# KiCad board manual.kicad_pcb
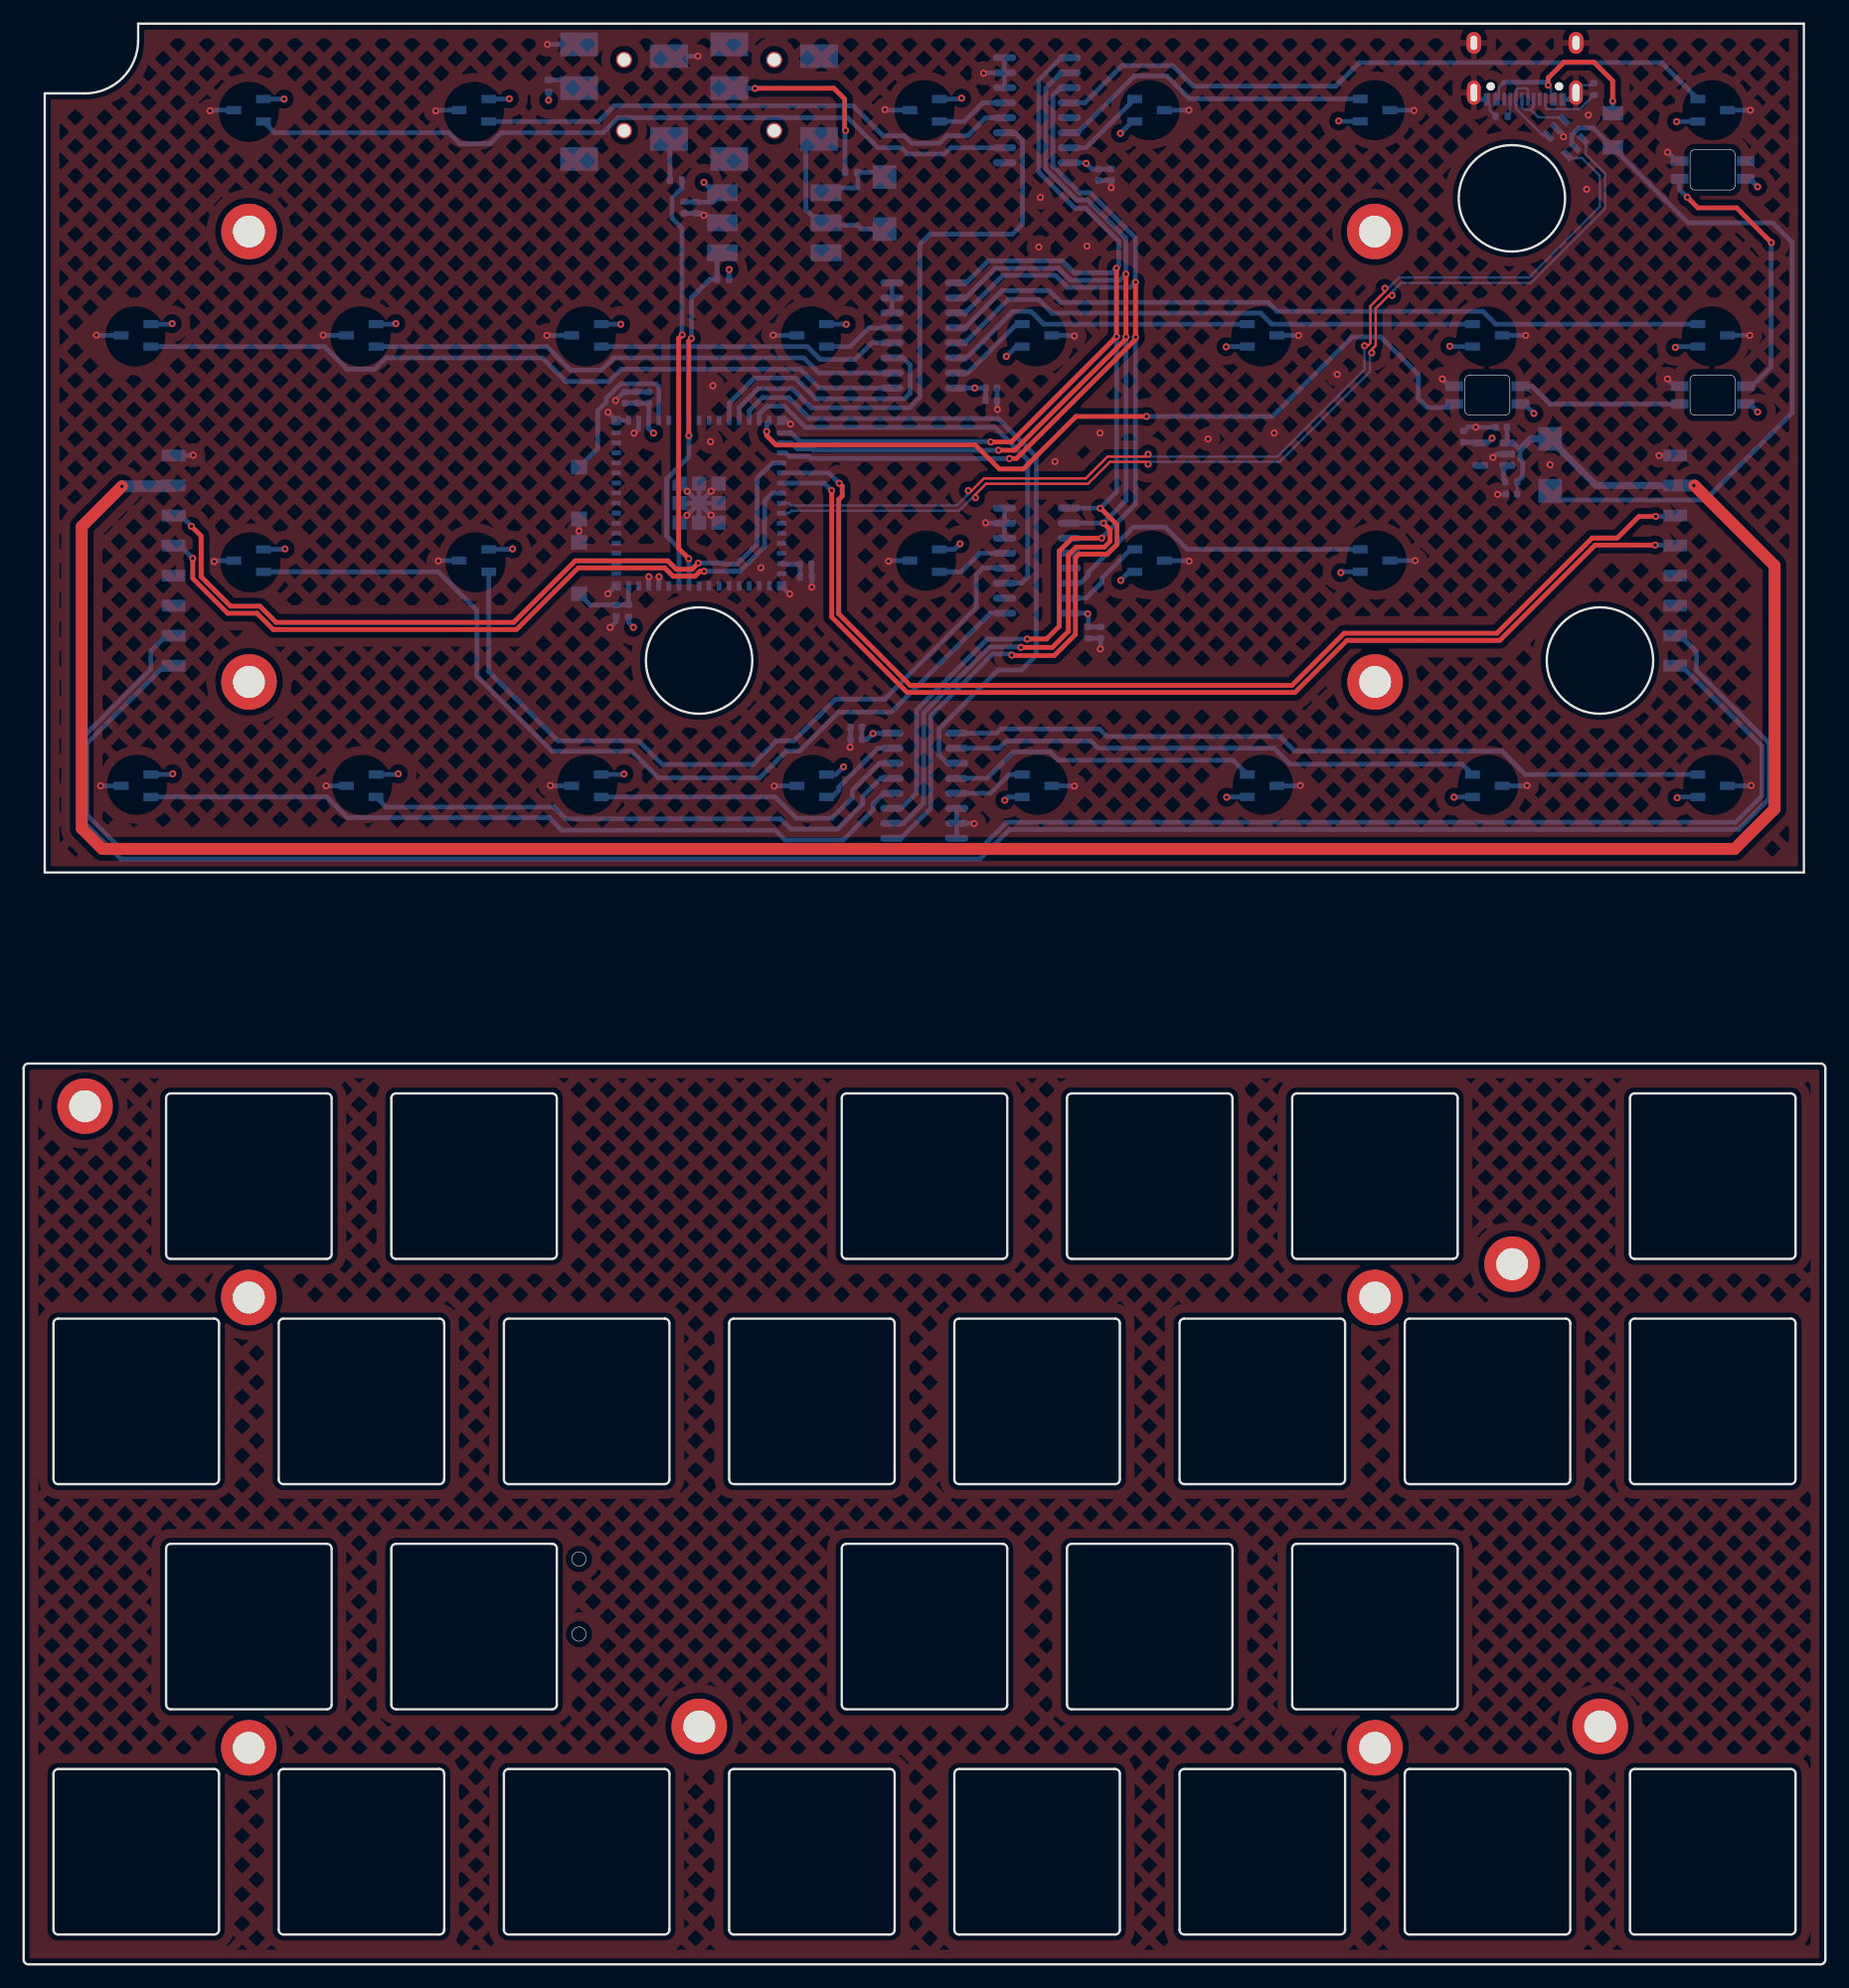
[diagram p0: board, top side]
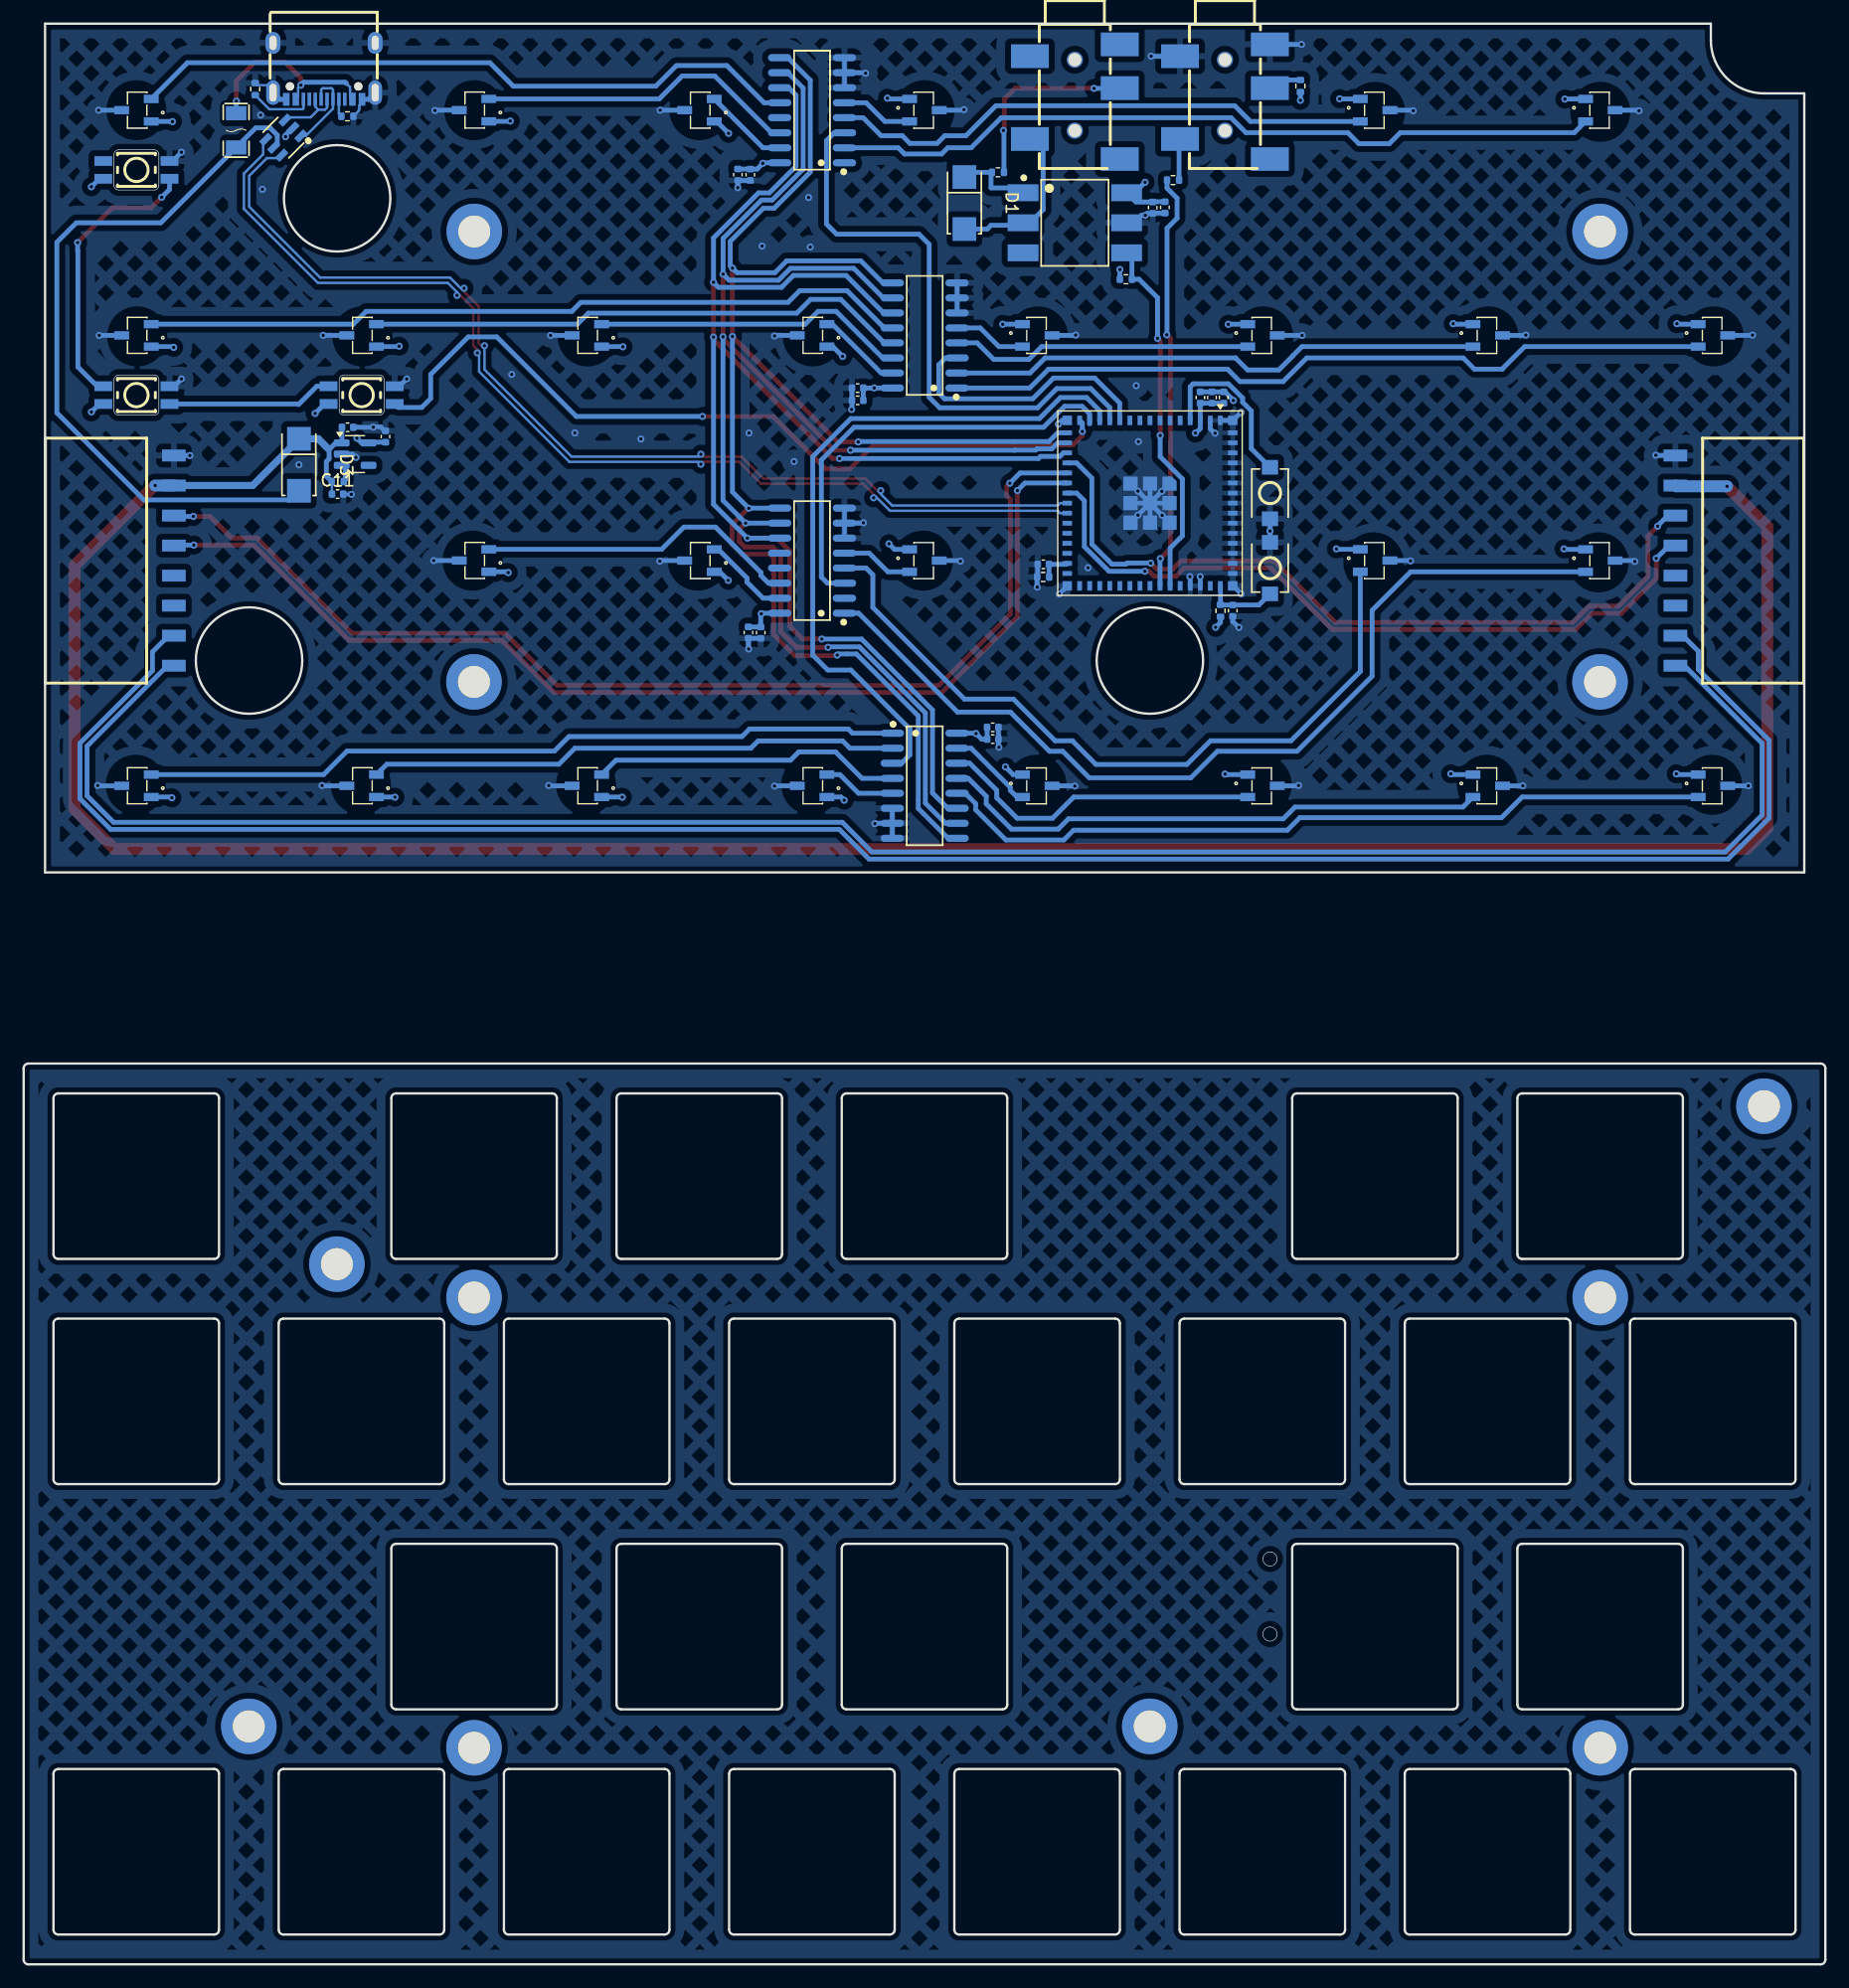
[diagram p1: board, bottom side, seen from below]

Outline 152.4 x 164.17 mm; copper layers: Top, In1.Cu (plane), In2.Cu (plane), Bottom. Coordinates in mm from the lower left corner of the outline.
Outline path: circle c46.98,34.29 r0.6 ; circle c46.98,27.94 r0.6 ; circle c57.14,110.29 r4.5 ; circle c125.89,149.39 r4.5 ; circle c133.34,110.29 r4.5 ; 0,75.8 0,0.4 arc(0.12,0.12) 0.4,0 152,0 arc(152.28,0.12) 152.4,0.4 152.4,75.8 arc(152.28,76.08) 152,76.2 0.4,76.2 arc(0.12,76.08) 0,75.8 ; 1.79,158.27 1.79,92.37 150.59,92.37 150.59,164.17 9.69,164.17 9.69,162.77 arc(8.37,159.58) 5.19,158.27 1.79,158.27 ; 2.53,54.23 2.53,41.03 arc(2.64,40.74) 2.93,40.63 16.13,40.63 arc(16.41,40.74) 16.53,41.03 16.53,54.23 arc(16.41,54.51) 16.13,54.63 2.93,54.63 arc(2.64,54.51) 2.53,54.23 ; 2.53,16.13 2.53,2.93 arc(2.64,2.64) 2.93,2.53 16.13,2.53 arc(16.41,2.64) 16.53,2.93 16.53,16.13 arc(16.41,16.41) 16.13,16.53 2.93,16.53 arc(2.64,16.41) 2.53,16.13 ; 12.05,73.28 12.05,60.08 arc(12.17,59.79) 12.45,59.68 25.65,59.68 arc(25.93,59.79) 26.05,60.08 26.05,73.28 arc(25.93,73.56) 25.65,73.68 12.45,73.68 arc(12.17,73.56) 12.05,73.28 ; 12.05,35.18 12.05,21.98 arc(12.17,21.69) 12.45,21.58 25.65,21.58 arc(25.93,21.69) 26.05,21.98 26.05,35.18 arc(25.93,35.46) 25.65,35.58 12.45,35.58 arc(12.17,35.46) 12.05,35.18 ; 21.58,54.23 21.58,41.03 arc(21.69,40.74) 21.98,40.63 35.18,40.63 arc(35.46,40.74) 35.58,41.03 35.58,54.23 arc(35.46,54.51) 35.18,54.63 21.98,54.63 arc(21.69,54.51) 21.58,54.23 ; 21.58,16.13 21.58,2.93 arc(21.69,2.64) 21.98,2.53 35.18,2.53 arc(35.46,2.64) 35.58,2.93 35.58,16.13 arc(35.46,16.41) 35.18,16.53 21.98,16.53 arc(21.69,16.41) 21.58,16.13 ; 31.1,73.28 31.1,60.08 arc(31.22,59.79) 31.5,59.68 44.7,59.68 arc(44.98,59.79) 45.1,60.08 45.1,73.28 arc(44.98,73.56) 44.7,73.68 31.5,73.68 arc(31.22,73.56) 31.1,73.28 ; 31.1,35.18 31.1,21.98 arc(31.22,21.69) 31.5,21.58 44.7,21.58 arc(44.98,21.69) 45.1,21.98 45.1,35.18 arc(44.98,35.46) 44.7,35.58 31.5,35.58 arc(31.22,35.46) 31.1,35.18 ; 40.63,54.23 40.63,41.03 arc(40.74,40.74) 41.03,40.63 54.23,40.63 arc(54.51,40.74) 54.63,41.03 54.63,54.23 arc(54.51,54.51) 54.23,54.63 41.03,54.63 arc(40.74,54.51) 40.63,54.23 ; 40.63,16.13 40.63,2.93 arc(40.74,2.64) 41.03,2.53 54.23,2.53 arc(54.51,2.64) 54.63,2.93 54.63,16.13 arc(54.51,16.41) 54.23,16.53 41.03,16.53 arc(40.74,16.41) 40.63,16.13 ; 59.68,54.23 59.68,41.03 arc(59.79,40.74) 60.08,40.63 73.28,40.63 arc(73.56,40.74) 73.68,41.03 73.68,54.23 arc(73.56,54.51) 73.28,54.63 60.08,54.63 arc(59.79,54.51) 59.68,54.23 ; 59.68,16.13 59.68,2.93 arc(59.79,2.64) 60.08,2.53 73.28,2.53 arc(73.56,2.64) 73.68,2.93 73.68,16.13 arc(73.56,16.41) 73.28,16.53 60.08,16.53 arc(59.79,16.41) 59.68,16.13 ; 69.2,73.28 69.2,60.08 arc(69.32,59.79) 69.6,59.68 82.8,59.68 arc(83.08,59.79) 83.2,60.08 83.2,73.28 arc(83.08,73.56) 82.8,73.68 69.6,73.68 arc(69.32,73.56) 69.2,73.28 ; 69.2,35.18 69.2,21.98 arc(69.32,21.69) 69.6,21.58 82.8,21.58 arc(83.08,21.69) 83.2,21.98 83.2,35.18 arc(83.08,35.46) 82.8,35.58 69.6,35.58 arc(69.32,35.46) 69.2,35.18 ; 78.73,54.23 78.73,41.03 arc(78.84,40.74) 79.13,40.63 92.33,40.63 arc(92.61,40.74) 92.73,41.03 92.73,54.23 arc(92.61,54.51) 92.33,54.63 79.13,54.63 arc(78.84,54.51) 78.73,54.23 ; 78.73,16.13 78.73,2.93 arc(78.84,2.64) 79.13,2.53 92.33,2.53 arc(92.61,2.64) 92.73,2.93 92.73,16.13 arc(92.61,16.41) 92.33,16.53 79.13,16.53 arc(78.84,16.41) 78.73,16.13 ; 88.25,73.28 88.25,60.08 arc(88.37,59.79) 88.65,59.68 101.85,59.68 arc(102.13,59.79) 102.25,60.08 102.25,73.28 arc(102.13,73.56) 101.85,73.68 88.65,73.68 arc(88.37,73.56) 88.25,73.28 ; 88.25,35.18 88.25,21.98 arc(88.37,21.69) 88.65,21.58 101.85,21.58 arc(102.13,21.69) 102.25,21.98 102.25,35.18 arc(102.13,35.46) 101.85,35.58 88.65,35.58 arc(88.37,35.46) 88.25,35.18 ; 97.78,54.23 97.78,41.03 arc(97.89,40.74) 98.18,40.63 111.38,40.63 arc(111.66,40.74) 111.78,41.03 111.78,54.23 arc(111.66,54.51) 111.38,54.63 98.18,54.63 arc(97.89,54.51) 97.78,54.23 ; 97.78,16.13 97.78,2.93 arc(97.89,2.64) 98.18,2.53 111.38,2.53 arc(111.66,2.64) 111.78,2.93 111.78,16.13 arc(111.66,16.41) 111.38,16.53 98.18,16.53 arc(97.89,16.41) 97.78,16.13 ; 107.3,73.28 107.3,60.08 arc(107.42,59.79) 107.7,59.68 120.9,59.68 arc(121.18,59.79) 121.3,60.08 121.3,73.28 arc(121.18,73.56) 120.9,73.68 107.7,73.68 arc(107.42,73.56) 107.3,73.28 ; 107.3,35.18 107.3,21.98 arc(107.42,21.69) 107.7,21.58 120.9,21.58 arc(121.18,21.69) 121.3,21.98 121.3,35.18 arc(121.18,35.46) 120.9,35.58 107.7,35.58 arc(107.42,35.46) 107.3,35.18 ; 116.83,54.23 116.83,41.03 arc(116.94,40.74) 117.23,40.63 130.43,40.63 arc(130.71,40.74) 130.83,41.03 130.83,54.23 arc(130.71,54.51) 130.43,54.63 117.23,54.63 arc(116.94,54.51) 116.83,54.23 ; 116.83,16.13 116.83,2.93 arc(116.94,2.64) 117.23,2.53 130.43,2.53 arc(130.71,2.64) 130.83,2.93 130.83,16.13 arc(130.71,16.41) 130.43,16.53 117.23,16.53 arc(116.94,16.41) 116.83,16.13 ; 135.88,73.28 135.88,60.08 arc(135.99,59.79) 136.28,59.68 149.48,59.68 arc(149.76,59.79) 149.88,60.08 149.88,73.28 arc(149.76,73.56) 149.48,73.68 136.28,73.68 arc(135.99,73.56) 135.88,73.28 ; 135.88,54.23 135.88,41.03 arc(135.99,40.74) 136.28,40.63 149.48,40.63 arc(149.76,40.74) 149.88,41.03 149.88,54.23 arc(149.76,54.51) 149.48,54.63 136.28,54.63 arc(135.99,54.51) 135.88,54.23 ; 135.88,16.13 135.88,2.93 arc(135.99,2.64) 136.28,2.53 149.48,2.53 arc(149.76,2.64) 149.88,2.93 149.88,16.13 arc(149.76,16.41) 149.48,16.53 136.28,16.53 arc(135.99,16.41) 135.88,16.13
Stack: Top 0.035mm / dielectric 0.1mm FR4 er 4.5 / In1.Cu 0.035mm / dielectric 1.24mm FR4 er 4.5 / In2.Cu 0.035mm / dielectric 0.1mm FR4 er 4.5 / Bottom 0.035mm

## Placement (name value [footprint] x y rotation side)
C1  10u  [C_0402_1005Metric]  70.43 103.64 180 bottom
C2  100n  [C_0402_1005Metric]  81.85 132.3 180 bottom
C3  100n  [C_0402_1005Metric]  55.87 148.62 90 bottom
C4  10u  [C_0402_1005Metric]  91.09 112.66 270 bottom
C5  100n  [C_0402_1005Metric]  90.94 151.38 90 bottom
C6  10u  [C_0402_1005Metric]  91.98 151.39 270 bottom
C7  100n  [C_0402_1005Metric]  90.05 112.65 90 bottom
C8  10u  [C_0402_1005Metric]  56.9 148.6 270 bottom
C9  100n  [C_0402_1005Metric]  70.43 104.64 0 bottom
C10  10u  [C_0402_1005Metric]  81.85 133.34 0 bottom
C11  10u  [C_0402_1005Metric]  125.84 124.37 180 bottom
C24  10u  [C_0402_1005Metric]  121.79 129.24 90 bottom
C25  10u  [C_0402_1005Metric]  125 130.02 180 bottom
C43  1u  [C_0402_1005Metric]  50.12 114.51 270 bottom
C44  10u  [C_0402_1005Metric]  50.9 132.54 90 bottom
C45  10u  [C_0402_1005Metric]  51.88 132.54 90 bottom
C46  1u  [C_0402_1005Metric]  52.87 132.54 90 bottom
C47  1u  [C_0402_1005Metric]  66.15 118.43 0 bottom
CN1  MIDI OUT  [AUDIO-SMD_PJ-327A5JJ]  50.79 157.56 180 bottom
CN2  MIDI IN  [AUDIO-SMD_PJ-327A5JJ]  63.48 157.56 180 bottom
D1  SS34_C8678  [SMA_L4.3-W2.6-LS5.2-RD]  72.82 148.99 270 bottom
D2  USBLC6-2SC6  [SOT-23-6_L2.9-W1.6-P0.95-LS2.8-BL]  130.43 154.52 45 bottom
D3  SS34_C8678  [SMA_L4.3-W2.6-LS5.2-RD]  129.11 126.85 270 bottom
F1  BSMD1206-200-6V  [F1206]  134.43 155.14 270 bottom
H0  SLSS49E-3  [SOT-23-3_L2.9-W1.6-P1.90-LS2.8-BR-CW]  142.86 99.69 180 bottom
H1  SLSS49E-3  [SOT-23-3_L2.9-W1.6-P1.90-LS2.8-BR-CW]  123.81 99.69 180 bottom
H2  SLSS49E-3  [SOT-23-3_L2.9-W1.6-P1.90-LS2.8-BR-CW]  104.76 99.69 180 bottom
H3  SLSS49E-3  [SOT-23-3_L2.9-W1.6-P1.90-LS2.8-BR-CW]  85.71 99.69 180 bottom
H4  SLSS49E-3  [SOT-23-3_L2.9-W1.6-P1.90-LS2.8-BR-CW]  66.66 99.69 0 bottom
H5  SLSS49E-3  [SOT-23-3_L2.9-W1.6-P1.90-LS2.8-BR-CW]  47.61 99.69 0 bottom
H6  SLSS49E-3  [SOT-23-3_L2.9-W1.6-P1.90-LS2.8-BR-CW]  28.56 99.69 0 bottom
H7  SLSS49E-3  [SOT-23-3_L2.9-W1.6-P1.90-LS2.8-BR-CW]  9.51 99.69 0 bottom
H10  SLSS49E-3  [SOT-23-3_L2.9-W1.6-P1.90-LS2.8-BR-CW]  114.31 118.75 180 bottom
H11  SLSS49E-3  [SOT-23-3_L2.9-W1.6-P1.90-LS2.8-BR-CW]  95.23 118.74 180 bottom
H12  SLSS49E-3  [SOT-23-3_L2.9-W1.6-P1.90-LS2.8-BR-CW]  76.21 118.74 0 bottom
H14  SLSS49E-3  [SOT-23-3_L2.9-W1.6-P1.90-LS2.8-BR-CW]  38.09 118.75 0 bottom
H15  SLSS49E-3  [SOT-23-3_L2.9-W1.6-P1.90-LS2.8-BR-CW]  19.03 118.74 0 bottom
H16  SLSS49E-3  [SOT-23-3_L2.9-W1.6-P1.90-LS2.8-BR-CW]  142.86 137.79 180 bottom
H17  SLSS49E-3  [SOT-23-3_L2.9-W1.6-P1.90-LS2.8-BR-CW]  123.81 137.79 180 bottom
H18  SLSS49E-3  [SOT-23-3_L2.9-W1.6-P1.90-LS2.8-BR-CW]  104.76 137.79 180 bottom
H19  SLSS49E-3  [SOT-23-3_L2.9-W1.6-P1.90-LS2.8-BR-CW]  85.71 137.79 180 bottom
H20  SLSS49E-3  [SOT-23-3_L2.9-W1.6-P1.90-LS2.8-BR-CW]  66.66 137.79 0 bottom
H21  SLSS49E-3  [SOT-23-3_L2.9-W1.6-P1.90-LS2.8-BR-CW]  47.61 137.79 0 bottom
H22  SLSS49E-3  [SOT-23-3_L2.9-W1.6-P1.90-LS2.8-BR-CW]  28.56 137.79 0 bottom
H23  SLSS49E-3  [SOT-23-3_L2.9-W1.6-P1.90-LS2.8-BR-CW]  9.51 137.79 0 bottom
H24  SLSS49E-3  [SOT-23-3_L2.9-W1.6-P1.90-LS2.8-BR-CW]  142.86 156.84 180 bottom
H26  SLSS49E-3  [SOT-23-3_L2.9-W1.6-P1.90-LS2.8-BR-CW]  114.31 156.85 180 bottom
H27  SLSS49E-3  [SOT-23-3_L2.9-W1.6-P1.90-LS2.8-BR-CW]  95.23 156.84 180 bottom
H28  SLSS49E-3  [SOT-23-3_L2.9-W1.6-P1.90-LS2.8-BR-CW]  76.21 156.84 0 bottom
H30  SLSS49E-3  [SOT-23-3_L2.9-W1.6-P1.90-LS2.8-BR-CW]  38.09 156.84 0 bottom
H31  SLSS49E-3  [SOT-23-3_L2.9-W1.6-P1.90-LS2.8-BR-CW]  19.03 156.84 0 bottom
J2  Conn_01x08  [HDR-SMD_8P-P2.54-H-F-L11.5]  12.68 118.74 90 bottom
J3  Conn_01x08  [HDR-SMD_8P-P2.54-H-F-L11.5]  139.69 118.74 270 bottom
LED1  SK6812MINI-E_C5149201  [LED-SMD_L3.2-W2.8-LS5.9_SK6812MINI-E]  142.86 132.75 0 bottom
LED2  SK6812MINI-E_C5149201  [LED-SMD_L3.2-W2.8-LS5.9_SK6812MINI-E]  123.81 132.75 0 bottom
LED3  SK6812MINI-E_C5149201  [LED-SMD_L3.2-W2.8-LS5.9_SK6812MINI-E]  142.86 151.79 0 bottom
R3  5.1k  [R_0402_1005Metric]  125.01 156.33 0 bottom
R4  10K  [R_0402_1005Metric]  125.83 125.43 0 bottom
R5  5.1k  [R_0402_1005Metric]  132.81 158.63 270 bottom
R21  470  [R_0402_1005Metric]  59.16 142.54 0 bottom
R22  470  [R_0402_1005Metric]  69.99 151.59 180 bottom
R23  33  [R_0402_1005Metric]  44.4 158.89 90 bottom
R24  10  [R_0402_1005Metric]  55.18 150.93 180 bottom
R47  5.1k  [R_0402_1005Metric]  51.16 114.5 270 bottom
R58  1M  [R_0402_1005Metric]  66.16 117.36 0 bottom
REF**  -  [MountingHole_2.7mm_M2.5_DIN965_Pad]  114.3 18.32 0 top
REF**#2  -  [MountingHole_2.7mm_M2.5_DIN965_Pad]  19.06 146.58 0 top
REF**#3  -  [MountingHole_2.7mm_M2.5_DIN965_Pad]  114.3 56.41 0 top
REF**#4  -  [MountingHole_2.7mm_M2.5_DIN965_Pad]  125.91 59.23 0 top
REF**#5  -  [MountingHole_2.7mm_M2.5_DIN965_Pad]  114.31 108.48 0 top
REF**#6  -  [MountingHole_2.7mm_M2.5_DIN965_Pad]  133.35 20.13 0 top
REF**#7  -  [MountingHole_2.7mm_M2.5_DIN965_Pad]  114.28 146.58 0 top
REF**#8  -  [MountingHole_2.7mm_M2.5_DIN965_Pad]  19.04 18.32 0 top
REF**#9  -  [MountingHole_2.7mm_M2.5_DIN965_Pad]  5.19 72.59 0 top
REF**#10  -  [MountingHole_2.7mm_M2.5_DIN965_Pad]  19.04 56.41 0 top
REF**#11  -  [MountingHole_2.7mm_M2.5_DIN965_Pad]  57.15 20.13 0 top
REF**#12  -  [MountingHole_2.7mm_M2.5_DIN965_Pad]  19.06 108.48 0 top
SW3  BOOT0  [SW-SMD_L3.9-W3.0-P4.45]  46.98 124.46 270 bottom
SW4  RST  [SW-SMD_L3.9-W3.0-P4.45]  46.98 118.11 90 bottom
U1  ESP32-S3-MINI-1U  [ESP32-S2-MINI-1U]  57.13 123.61 270 bottom
U2  AP2112K-3.3  [SOT-23-5]  124.36 127.75 180 bottom
U4  CD4051BM96  [SOIC-16_L9.9-W3.9-P1.27-LS6.0-BL]  76.19 99.69 270 bottom
U5  CD4051BM96  [SOIC-16_L9.9-W3.9-P1.27-LS6.0-BL]  85.71 118.74 90 bottom
U6  CD4051BM96  [SOIC-16_L9.9-W3.9-P1.27-LS6.0-BL]  76.19 137.79 90 bottom
U7  CD4051BM96  [SOIC-16_L9.9-W3.9-P1.27-LS6.0-BL]  85.71 156.84 90 bottom
U10  H11L1S(TA)  [SMD-6_L7.3-W6.5-P2.54-LS10.2-BL]  63.48 147.32 270 bottom
USB1  TYPE-C 16PIN 2MD(073)  [USB-C-SMD_TYPE-C-6PIN-2MD-073]  126.98 160.16 0 bottom

## Library data of the parts
C1-C11 C24 C25 C43-C47 = -: Description: Unpolarized capacitor; ki_fp_filters: C_*
CN1 CN2 = -: Datasheet: https://lcsc.com/product-detail/Audio-Video-Connectors_SHOU-HAN-PJ-327A-5JJ_C668605.html; LCSC Part: C668605
D1 D3 = -: Datasheet: https://lcsc.com/product-detail/Schottky-Barrier-Diodes-SBD_SS34_C8678.html; LCSC Part: C8678
D2 = -: Datasheet: https://lcsc.com/product-detail/Diodes-ESD_STMicroelectronics_USBLC6-2SC6_USBLC6-2SC6_C7519.html; LCSC Part: C7519
F1 = -: LCSC Part: C883134
H0-H7 H10-H12 H14-H24 H26-H28 H30 H31 = -: LCSC Part: C2904393
J2 J3 = -: Description: Generic connector, single row, 01x08, script generated (kicad-library-utils/schlib/autogen/connector/); ki_fp_filters: Connector*:*_1x??_*
LED1-LED3 = -: LCSC Part: C5149201
R3-R5 R21-R24 R47 R58 = -: Description: Resistor; ki_fp_filters: R_*
SW3 SW4 = -: Datasheet: https://lcsc.com/product-detail/Tactile-Switches_XUNPU-TS-1088-AR02016_C720477.html; LCSC Part: C720477
U1 = -: Datasheet: https://www.espressif.com/sites/default/files/documentation/esp32-s3-mini-1_mini-1u_datasheet_en.pdf; Description: RF Module, ESP32-S3 SoC, Wi-Fi 802.11b/g/n, Bluetooth, BLE, 32-bit, 3.3V, SMD, external antenna; ki_fp_filters: ESP32?S*MINI?1U
U2 = -: Datasheet: https://www.diodes.com/assets/Datasheets/AP2112.pdf; Description: 600mA low dropout linear regulator, with enable pin, 3.8V-6V input voltage range, 3.3V fixed positive output, SOT-23-5; ki_fp_filters: SOT?23?5*
U4-U7 = -: Datasheet: https://lcsc.com/product-detail/4000-Series_TI_CD4051BM96_CD4051BM96_C21379.html; LCSC Part: C21379
U10 = -: Datasheet: https://lcsc.com/product-detail/SMD-Optocouplers_H11L1S-TA_C78589.html; LCSC Part: C78589
USB1 = -: LCSC Part: C2765186
